# Altium PCB hv_controller.PcbDoc (part 3 of 3)
Units mil, origin at the board's own origin, x right, y up, seen from the top; angles counter-clockwise.
Board outline 9380 x 6000 mil, 2 copper layers (Top Layer, Bottom Layer); 271 components, 136 nets, 744 pads, 173 vias.
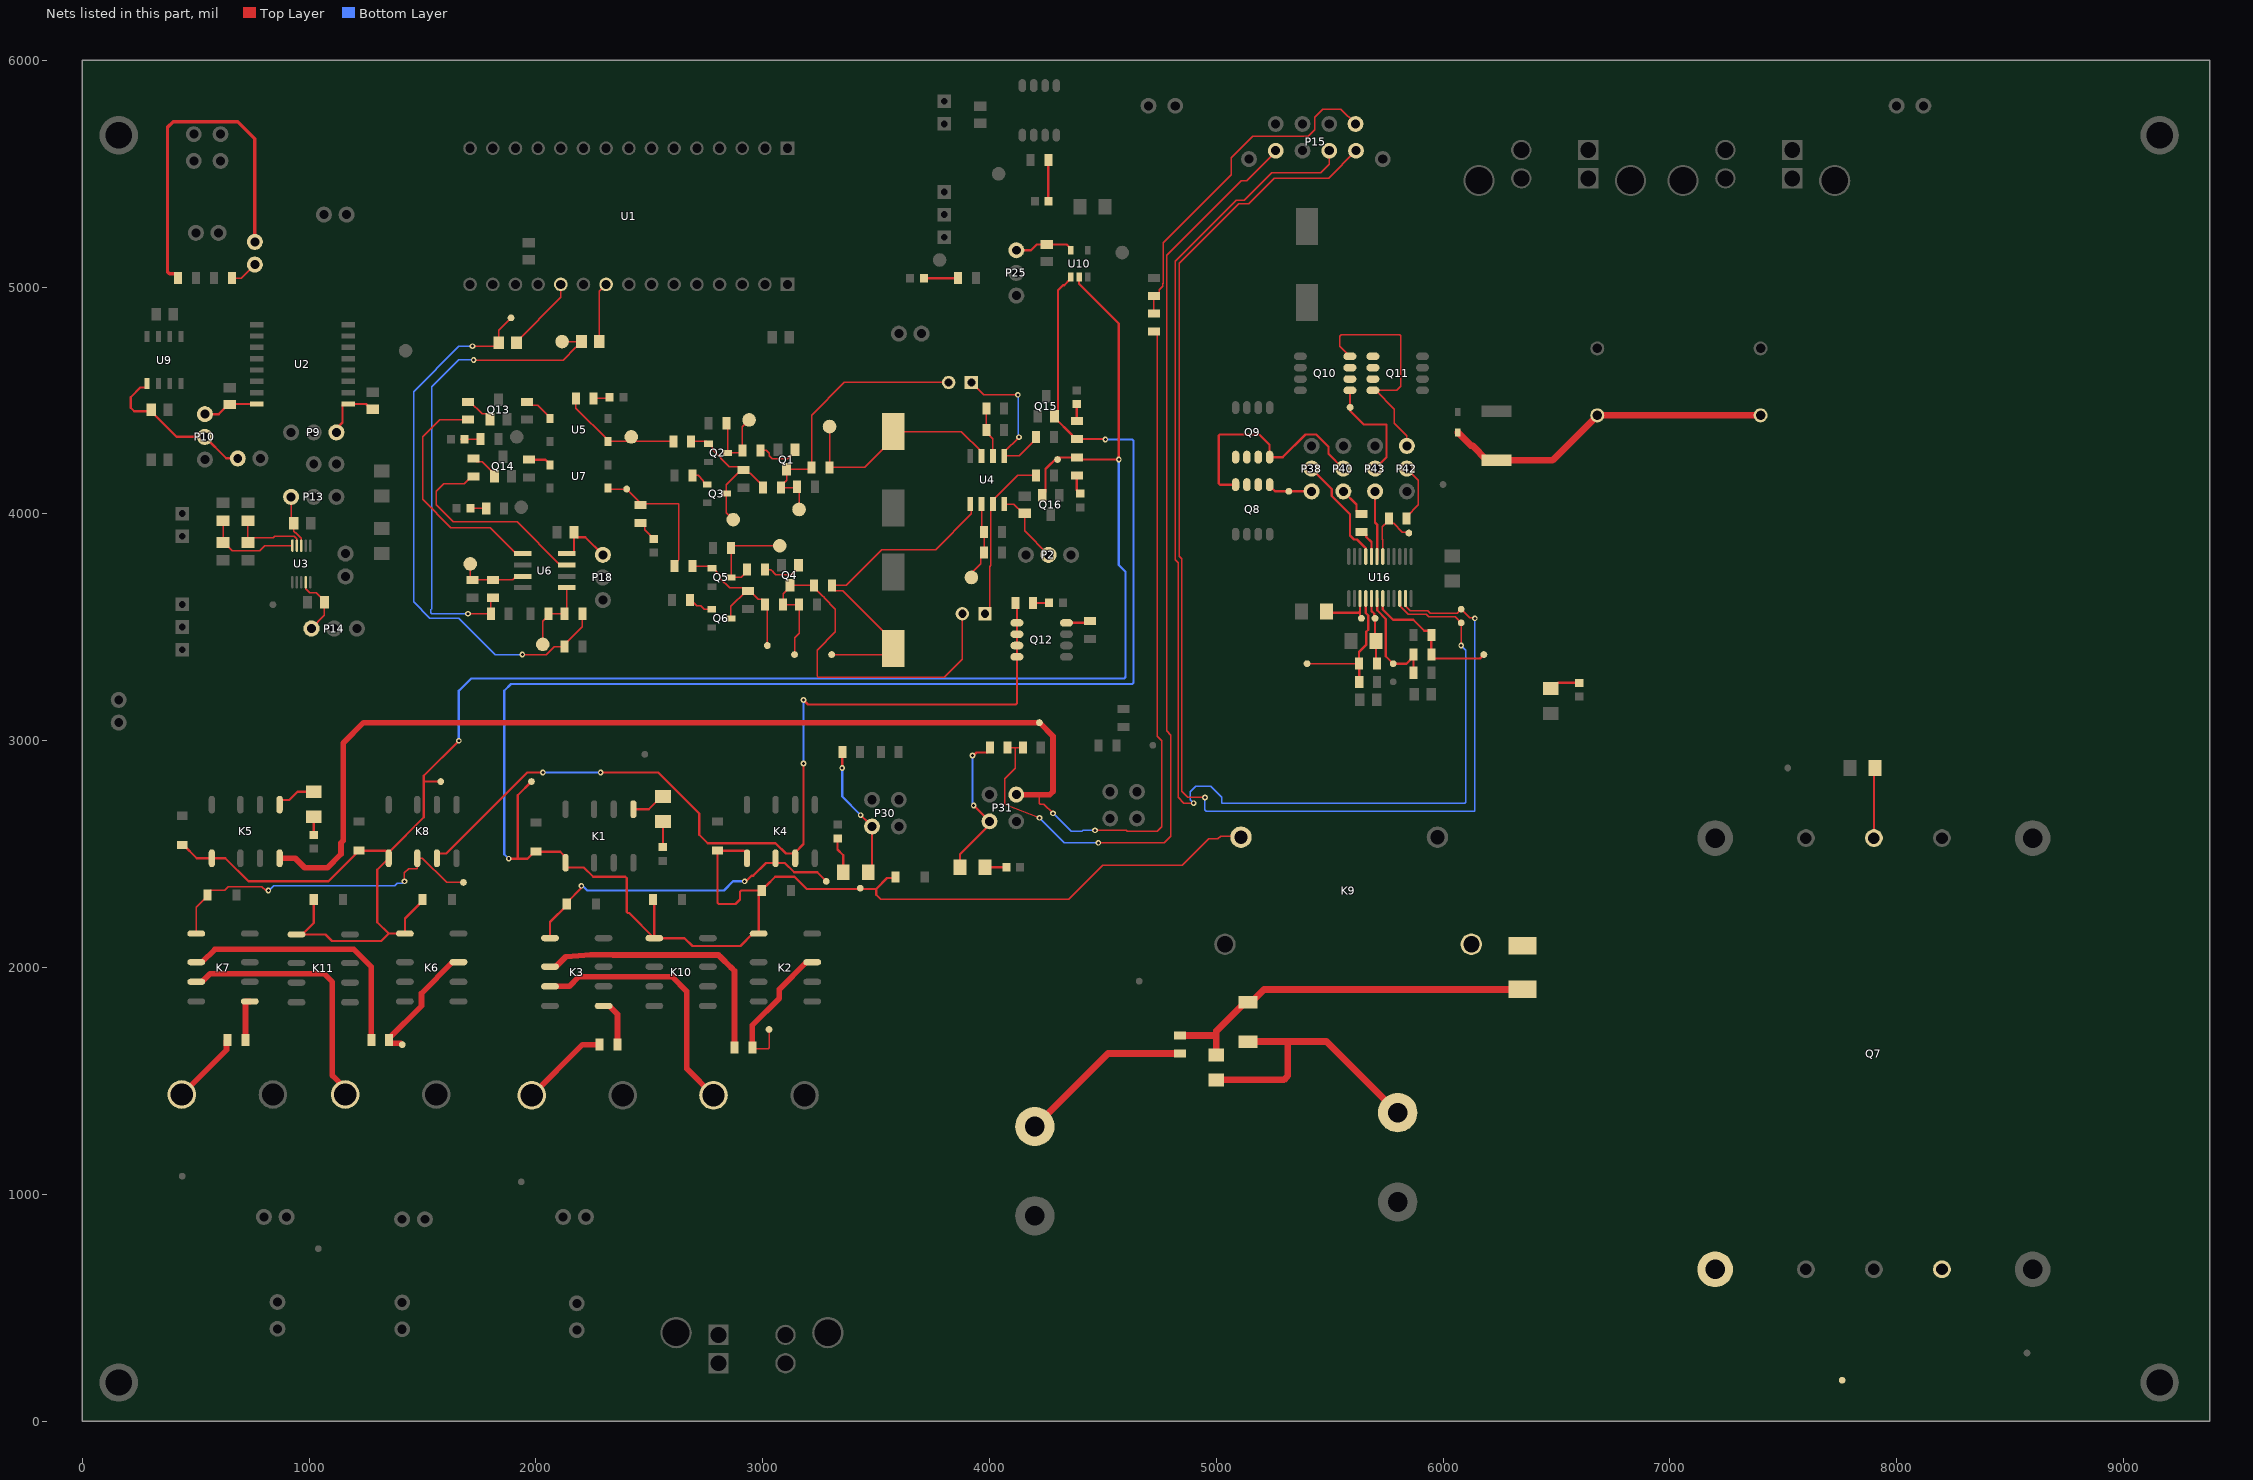
[diagram p3: the nets of this part, all layers, seen from the top]

## Via types
v1: diameter 25, hole 13, Top Layer to Bottom Layer, 173 vias

## Nets (pads, with @x,y where several pads share a name; then routed paths per layer and width w, separated by ;. In a path a pad name is that pad's centre, name@x,y a point inside that pad or via, vN(x,y) a via of type N, cw(c..) or ccw(c..) an arc to the next point about the centre after c; other vN are vias at no path point) (continued)
MPPT_BOOST_EN: P15.4 R27.1 R48.2 | length 1528.8
  Top Layer w6: R27.1@4725,4884.37 R48.2@4725,4961.26 4733.86,4961.26 4748.57,4975.98 4748.57,4989.51 4764,5004.93 4764,5016.32 4765,5017.32 4765,5195 5065,5495 5065,5570 5160,5665 5405,5665 5435,5695 5435,5750 5470,5785 5549,5785 P15.4@5614,5720
MPPT_CONT_DR: K5.4 P31.4 R27.2 TP47.1 | length 7270.3
  Top Layer w6: 4220,2762.62 4220,2723.51 4223.51,2720 4240,2720 v1(4280,2680) ; v1(4465,2605) 4602.57,2605 4607.57,2600 4740,2600 4760,2620 4760,3000 4740,3020 4740,4765 4740,4790.91 4725.28,4805.63 R27.2@4725,4805.63
  Top Layer w10: P31.4@4104.86,2780.35 4108.01,2780.35 P31.4@4118,2790.33
  Top Layer w25: K5.4@869.61,2481.89 938.11,2481.89 980,2440 1080,2440 1140,2500 1140,2549.26 1150.19,2559.45 1150.19,2990.19 1240,3080 TP47.1@4220,3080 4280,3020 4280,2776.58 4266.03,2762.62 4220,2762.62 P31.4@4118,2762.62
  Bottom Layer w6: v1(4280,2680) 4360,2600 4407.43,2600 4412.43,2605 v1(4465,2605)
MPPT_CONT_TELEM: P15.5 R46.1 R87.2 | length 4381.1
  Top Layer w6: R87.2@4080,2970 4113.55,2970 ; R46.1@4147.1,2970 4113.55,2970 ; v1(4220,2660) 4071.51,2718.49 4068,2722 4068,2724.49 4068,2833.18 4113.55,2878.73 4113.55,2970 ; v1(4480,2550) 4771.49,2550 4800,2578.51 4800,3025 4781,3044 4781,5141 5109.55,5469.55 5134.55,5469.55 5262,5597 P15.5@5262,5602
  Bottom Layer w6: v1(4220,2660) 4330,2550 v1(4480,2550)
MPS_CLOSE_MC: D1.2 D2.2 D3.2 D6.2 D10.2 K1.1 K2.1 K4.1 K9.2 K10.1 Q15.2 R41.2 TP28.1 TP36.1 U10.1 | length 10884.3
  Top Layer w6: 3500,2320 3520,2300 4350,2300 4500,2450 4850,2450 4967.27,2567.27 5007.27,2567.27 5020,2580 5103.86,2580 K9.2@5108.86,2575
  Top Layer w10: v1(1880,2480) 1920,2480 ; TP28.1@1980,2820 1920,2760 1920,2480 ; D10.2@2515.43,2300 2521.89,2293.54 K10.1@2521.89,2129.61 ; K4.1@2930.39,2456.3 K4.1@2930.39,2481.89 2930.39,2502.73 2917.69,2515.43 D6.2@2800,2515.43 2800,2285.86 2805.86,2280 2880,2280 2900,2300 2900,2334.14 2905.86,2340 D1.2@2995.43,2340 ; 3500,2320 3500,2345.95 ; D3.2@3585.43,2400 3585.43,2397.24 3582.52,2394.33 3548.38,2394.33 3500,2345.95 ; U10.1@4357.6,5044.94 4357.6,5037.07 4329.2,5008.67 4323.67,5008.67 4302.09,4987.09 4302.09,4446.38 Q15.2@4287.4,4431.69 4287.4,4423.82 4363.43,4347.8 4363.43,4343.35 4376.14,4330.63 R41.2@4385,4330.63 4508.89,4330.63 v1(4511,4328.52) v1@4511.59,4327.92 ; 1920,2480 1963.03,2480 1993.9,2510.87 D2.2@2000,2510.87 2107.01,2510.87 2130.39,2487.48 K1.1@2130.39,2461.89 2130.39,2449.41 2138.5,2441.3 2210.68,2441.3 2251.98,2400 2394.14,2400 2400,2394.14 2400,2245.86 2405.86,2240 2411.5,2240 K10.1@2521.89,2129.61 ; K10.1@2521.89,2129.61 2655.39,2129.61 2690,2095 2901.69,2095 2956.3,2149.61 K2.1@2981.89,2149.61 2981.89,2320.35 2995.43,2333.9 D1.2@2995.43,2340 ; D1.2@2995.43,2340 2995.43,2346.1 3008.35,2359.02 3014.45,2359.02 3055.43,2400 3140,2400 3194.05,2345.95 3500,2345.95
  Bottom Layer w10: v1(1880,2480) 1860,2500 1860,3220 1890,3250 4629.14,3250 4635,3255.86 4635,4322.66 4629.14,4328.52 v1(4511,4328.52)
MPS_CLOSE_MPPT: D7.2 D8.2 D12.2 D14.2 K5.1 K6.1 K8.1 K11.1 Q16.2 R61.2 TP31.1 TP37.1 U10.2 | length 8523.4
  Top Layer w10: D8.2@440,2540 446.1,2540 504.21,2481.89 K5.1@570.39,2481.89 630.09,2481.89 731.98,2380 1084.57,2380 D12.2@1220,2515.43 1337.69,2515.43 K8.1@1350.39,2502.73 ; K11.1@918.19,2145.98 K11.1@943.78,2145.98 K11.1@969.37,2145.98 ; D7.2@1020,2300 1020,2196.61 K11.1@969.37,2145.98 ; D14.2@1500,2300 1500,2293.9 1421.89,2215.79 K6.1@1421.89,2149.61 1350.39,2149.61 ; 1505.09,2820.51 1505.44,2820.16 ; TP31.1@1580,2820 1505.6,2820 1505.44,2820.16 ; v1(1660,3000) 1505.44,2845.44 1505.44,2820.16 ; Q16.2@4232.6,4083.31 4247.28,4097.99 4247.28,4198.42 4298.24,4249.37 R61.2@4385,4249.37 4394.37,4240 v1(4570,4240) 4570,4840 4395,5015 U10.2@4395,5044.94 ; K11.1@969.37,2145.98 1071.52,2145.98 1100.3,2117.2 1317.99,2117.2 1350.39,2149.61 ; 1350.39,2149.61 1300,2200 1300,2431.5 K8.1@1350.39,2481.89 K8.1@1350.39,2502.73 ; K8.1@1350.39,2502.73 1350.39,2507.48 1505.44,2662.53 1505.44,2820.16
  Bottom Layer w10: v1(1660,3000) 1660,3220 1715,3275 4594.14,3275 4600,3280.86 4600,3745.47 4570,3775.47 v1(4570,4240)
MPS_EN: K4.3 K8.3 Q12.5 Q12.6 Q12.7 Q12.8 R68.2 | length 4060.1
  Top Layer w10: K8.3@1562.99,2481.89 1562.99,2494.37 1571.1,2502.48 1603.91,2502.48 1961.43,2860 v1(2030,2860) ; v1(2285,2860) 2539.32,2860 2720,2679.32 2720,2585.86 2757.51,2548.35 3056.21,2548.35 3102.08,2502.48 3134.88,2502.48 K4.3@3142.99,2494.37 ; K4.3@3142.99,2481.89 K4.3@3142.99,2494.37 ; v1(3180,2900) 3180,2544.49 3142.99,2507.48 K4.3@3142.99,2494.37 ; v1(3180,3180) 3200,3160 4115.01,3160 4120.87,3165.86 Q12.8@4120.87,3369.88 Q12.7@4120.87,3419.88 Q12.6@4120.87,3469.88 Q12.5@4120.87,3519.88 4120.87,3600.51 R68.2@4113.56,3607.82
  Bottom Layer w10: v1(2030,2860) v1(2285,2860) ; v1(3180,2900) v1(3180,3180)
NetC3_1: C3.1 P9.3 U2.1 | length 274.4
  Top Layer w10: P9.3@1120,4360 1120,4376.47 1147.05,4403.52 1147.05,4478.19 1153.86,4485 U2.1@1171.57,4485 1250.71,4485 1273.11,4462.6 C3.1@1280,4462.6
NetC4_1: C4.1 P10.3 U2.16 | length 247.1
  Top Layer w10: P10.3@540,4440 600.51,4440 643.11,4482.6 C4.1@650,4482.6 652.4,4485 U2.16@768.43,4485
NetC5_1: C5.1 P13.3 U3.3 | length 232.8
  Top Layer w6: P13.3@920,4075 920,3972.6 C5.1@932.6,3960 932.6,3923.44 938.77,3917.27 939.68,3917.27 964.26,3892.68 U3.3@964.26,3861.03
NetC6_1: C6.1 P14.1 U3.9 | length 274
  Top Layer w6: U3.9@984.69,3699.29 985.42,3698.56 985.42,3670.26 1003.27,3652.41 1031.88,3652.41 1068.29,3616 C6.1@1068.81,3616 ; P14.1@1010,3495 1067.4,3552.4 C6.1@1067.4,3610
NetC7_2: C7.2 P18.3 U6.8 | length 290.1
  Top Layer w10: U6.8@2135,3825 2161.4,3825 2167.4,3831 C7.2@2167.4,3913.11 ; C7.2@2167.4,3920 C7.2@2167.4,3913.11 ; P18.3@2295,3820 2217.56,3897.44 2183.07,3897.44 C7.2@2167.4,3913.11
NetC9_1: C9.1 R7.1 TP20.1 U4.3 | length 992.2
  Top Layer w6: TP20.1@3294.37,4385.63 R7.1@3294.37,4205 3449.17,4205 3588.43,4344.26 C9.1@3588.43,4359.34 ; C9.1@3575,4363.31 3875.71,4363.31 3965,4274.02 U4.3@3965,4256.3
NetC10_1: C10.1 R40.1 TP23.1 U4.5 | length 1484.4
  Top Layer w6: TP23.1@3303.63,3380 3548.31,3380 C10.1@3575,3406.69 3575,3439.17 3352.75,3661.43 3319.09,3661.43 3304.37,3676.14 R40.1@3304.37,3685 3367.4,3685 3524.9,3842.5 3762.5,3842.5 3920,4000 3920,4038.7 U4.5@3915,4043.7
NetC11_1: C11.1 C12.1 D9.1 R34.1 | length 1468.1
  Top Layer w30: D9.1@6065,4359.72 6123.68,4301.05 6130.28,4301.05 6194.63,4236.69 R34.1@6235,4236.69 6481.69,4236.69 C11.1@6680,4435 C12.1@7400,4435
NetC13_2: C13.2 P25.3 U10.5 | length 265.2
  Top Layer w10: P25.3@4118,5163 4183,5163 4208.4,5188.4 C13.2@4252,5188.4 4340.13,5188.4 4357.6,5170.93 U10.5@4357.6,5163.06
NetC15_1: C15.1 P2.2 U4.8 | length 333.1
  Top Layer w6: U4.8@4065,4043.7 4107.01,4043.7 4148.11,4002.6 C15.1@4155,4002.6 4155,3925 P2.2@4260,3820
NetC17_1: C17.1 D13.1 R92.1 | length 1263.9
  Top Layer w30: R92.1@5000,1504.88 5297.54,1504.88 5315.12,1522.46 5315.12,1671.57 5313.31,1673.39 ; D13.1@5140,1673.39 5313.31,1673.39 ; C17.1@5800,1360 5486.61,1673.39 5313.31,1673.39
NetC18_1: C18.1 R93.1 | length 773.6
  Top Layer w30: C18.1@4200,1298.74 4522.52,1621.26 R93.1@4840,1621.26
NetD5_2: D5.2 K3.1 K4.2 TP35.1 | length 1479
  Top Layer w10: K3.1@2061.89,2129.61 2061.89,2200.35 2135.43,2273.9 D5.2@2135.43,2280 2135.43,2286.1 2200,2350.67 v1(2200,2360) ; v1(2920,2380) 2926,2380 2951.29,2405.28 2958.36,2405.28 3014.37,2461.3 3048.27,2461.3 K4.2@3056.38,2469.41 ; K4.2@3056.38,2481.89 K4.2@3056.38,2469.41 ; TP35.1@3280,2380 3240,2420 3138.59,2420 3097.29,2461.3 3064.49,2461.3 K4.2@3056.38,2469.41
  Bottom Layer w10: v1(2200,2360) 2205.86,2360 2225.86,2340 2829.18,2340 2869.18,2380 v1(2920,2380)
NetD11_2: D11.2 K7.1 K8.2 TP45.1 | length 1497.6
  Top Layer w6: K7.1@501.89,2149.61 501.89,2264.92 550.87,2313.9 D11.2@550.87,2320 550.87,2326.1 565.78,2341.02 626.54,2341.02 642.54,2357.02 791.08,2357.02 808.09,2340 v1(820,2340) ; v1(1420,2380) 1420,2418 1438.38,2436.38 1476.38,2436.38 K8.2@1476.38,2481.89 1499.53,2481.89 1606.15,2375.27 TP45.1@1680,2375.27
  Bottom Layer w6: v1(820,2340) 823.11,2340 843.11,2360 1376.89,2360 1388.47,2371.58 1411.58,2371.58 v1(1420,2380)
NetD13_2: D13.2 F5.2 Q7.1 Q7.4 R92.2 R93.2 TP34.1 | length 1691.1
  Top Layer w30: R93.2@4840,1700 5000,1700 ; R92.2@5000,1615.12 5000,1700 ; F5.2@6350,1903.35 5210.51,1903.35 5153.78,1846.61 D13.2@5140,1846.61 5126.22,1846.61 5000,1720.39 5000,1700
NetF1_1: F1.1 K3.2 | length 1199.7
  Top Layer w25: K3.2@2061.89,2003.62 2087.48,2003.62 2131.54,2047.68 2241.82,2055.9 2340.25,2055.9 2341.15,2055 2805,2055 2812.32,2047.68 2860,2000 2860.89,2000 2875.54,1985.36 F1.1@2875.54,1647.08
NetF1_2: F1.2 K2.7 TP30.1 | length 658.4
  Top Layer w6: F1.2@2954.28,1647.08 2958.69,1642.67 3024.15,1642.67 3027.67,1646.18 TP30.1@3027.67,1727.08
  Top Layer w25: F1.2@2954.28,1647.08 2954.28,1745.89 3073.15,1864.76 3073.15,1904.26 3192.52,2023.62 K2.7@3218.11,2023.62
NetF2_1: F2.1 K3.5 | length 210.4
  Top Layer w25: K3.5@2298.11,1830.39 2323.01,1830.39 2359.37,1794.03 F2.1@2359.37,1660
NetF2_2: F2.2 R75.1 | length 392.1
  Top Layer w25: R75.1@1981.21,1436.28 2204.93,1660 F2.2@2280.63,1660
NetF3_1: F3.1 K7.2 | length 1150.3
  Top Layer w25: K7.2@501.89,2023.62 527.48,2023.62 583.86,2080 1196.9,2080 1274.06,2002.84 F3.1@1274.06,1680
NetF3_2: F3.2 K6.7 TP40.1 | length 556.1
  Top Layer w25: TP40.1@1410.35,1660 1409,1660 1403.08,1665.93 1358.02,1665.93 1352.8,1671.14 F3.2@1352.8,1680 1352.8,1688.86 1495.02,1831.08 1495.02,1886.13 1632.52,2023.62 K6.7@1658.11,2023.62
NetF4_1: F4.1 K7.5 | length 188.4
  Top Layer w25: F4.1@719.37,1680 719.37,1849.21 720.55,1850.39 K7.5@738.11,1850.39
NetF4_2: F4.2 R83.1 | length 323.8
  Top Layer w25: R83.1@438.43,1440 635.41,1636.99 635.41,1674.78 F4.2@640.63,1680
NetF5_1: F5.1 K9.3
NetK1_5: K1.5 R69.1 | length 154
  Top Layer w10: K1.5@2429.61,2698.11 2497.09,2698.11 2554.09,2755.12 R69.1@2560,2755.12
NetK3_3: K3.3 R70.2 | length 1155.3
  Top Layer w25: K3.3@2061.89,1917.01 2147.01,1917.01 2190,1960 2600,1960 2665,1895 2665,1554.06 R70.2@2782.78,1436.28
NetK5_5: K5.5 R77.1 | length 181.3
  Top Layer w10: K5.5@869.61,2718.11 869.61,2730.59 877.72,2738.7 911.75,2738.7 948.16,2775.12 R77.1@1020,2775.12
NetK7_3: K7.3 R78.2 | length 1150.3
  Top Layer w25: K7.3@501.89,1937.01 527.48,1937.01 563.76,1973.29 1065.36,1973.29 1102.23,1936.41 1102.23,1523.52 1158.43,1467.33 R78.2@1158.43,1440
NetLED1_1: LED1.1 R23.1 | length 72.2
  Top Layer w6: R23.1@2254.37,4510 2319.49,4510 LED1.1@2324.49,4515
NetLED2_1: LED2.1 R24.1 | length 90.1
  Top Layer w6: 1665.51,4330.37 R24.1@1755.63,4330.37
NetLED3_1: LED3.1 R47.1 | length 180.7
  Top Layer w10: R47.1@4259.37,5560 4259.37,5381.65 LED3.1@4261.02,5380
NetLED4_1: LED4.1 R31.1 | length 70.1
  Top Layer w6: LED4.1@1710.51,4025 R31.1@1780.63,4025
NetLED5_1: LED5.1 R41.1 | length 75.1
  Top Layer w10: R41.1@4385,4409.37 LED5.1@4385,4484.49
NetLED6_1: LED6.1 R61.1 | length 86.9
  Top Layer w10: R61.1@4385,4170.63 4385,4104.53 4399.02,4090.51 LED6.1@4400,4090.51
NetLED8_1: LED8.1 R66.1 | length 150.1
  Top Layer w10: LED8.1@3710.51,5040 R66.1@3860.63,5040
NetLED9_1: LED9.1 R68.1 | length 70.1
  Top Layer w10: R68.1@4192.3,3607.82 LED9.1@4262.42,3607.82
NetLED10_1: LED10.1 R69.2 | length 114.4
  Top Layer w10: LED10.1@2560,2530.51 R69.2@2560,2644.88
NetLED11_1: LED11.1 R32.1 | length 95
  Top Layer w6: R32.1@2480,3960.63 2480,3929.53 2519.02,3890.51 LED11.1@2520,3890.51 LED11.1@2520,3882.76
NetLED12_1: LED12.1 R77.2 | length 79.9
  Top Layer w10: LED12.1@1020,2584.99 R77.2@1020,2664.88
NetLED14_1: LED14.1 R89.2 | length 159.8
  Top Layer w10: LED14.1@3330,2569.49 3330,2520 3354.88,2495.12 R89.2@3354.88,2420
NetLED15_1: LED15.1 R90.2 | length 94.4
  Top Layer w10: R90.2@3979.98,2442.35 LED15.1@4074.35,2442.35
NetLED16_1: LED16.1 R94.2 | length 149.1
  Top Layer w10: R94.2@6475,3230.12 6480.91,3230.12 6506.3,3255.51 LED16.1@6600,3255.51 LED16.1@6590.39,3265.12
NetP19_1: P19.1 R16.2 U4.1 | length 706.1
  Top Layer w6: P19.1@3920,4580 3974.78,4525.22 v1(4125,4525.22) ; v1(4130,4339.02) 4065,4274.02 U4.1@4065,4256.3 4130.79,4256.3 4205.63,4331.14 R16.2@4205.63,4340
  Bottom Layer w6: v1(4125,4525.22) 4127.5,4522.72 4127.5,4341.52 v1(4130,4339.02)
NetP19_2: P19.2 Q1.3 R7.2 R39.1 R43.2 TP7.1 | length 1277.3
  Top Layer w6: R43.2@3140,4109.37 R43.2@3146.45,4115.82 ; TP7.1@3160,4020 R43.2@3160,4109.37 ; P19.2@3820,4580 3359.19,4580 3215.63,4436.44 R7.2@3215.63,4205 3207.32,4196.69 Q1.3@3105,4196.69 3105,4149.67 3080,4124.67 R39.1@3080,4115.82 R43.2@3146.45,4115.82 ; R43.2@3146.45,4115.82 R43.2@3150.63,4120 R43.2@3146.45,4115.82
NetP30_1: P30.1 R85.1 R89.1 | length 601.3
  Top Layer w10: v1(3350,2880) 3350,2949.37 R85.1@3350.63,2950 ; v1(3432,2672) 3466,2638 3482,2638 P30.1@3482,2622 3482,2436.88 R89.1@3465.12,2420
  Bottom Layer w10: v1(3350,2880) 3350,2754 v1(3432,2672)
NetP31_1: P31.1 R87.1 R90.1 | length 693.4
  Top Layer w10: R90.1@3869.75,2442.35 3869.75,2499.75 4000,2630 P31.1@4000,2644.62 v1(3930.11,2714.51) ; v1(3925,2935) 3929.06,2935 3942.48,2948.43 3988.54,2948.43 4000.63,2960.51 R87.1@4000.63,2990
  Bottom Layer w10: v1(3925,2935) 3925,2723.68 3930.11,2718.57 v1(3930.11,2714.51)
NetP35_1: P35.1 R8.2 U4.7 | length 752
  Top Layer w6: P35.1@3975,3565 P35.1@3980,3560 ; P35.1@4000,3558.31 4000,3767.25 4006.35,3773.6 4006.35,3798.04 4006.35,4035.05 U4.7@4015,4043.7 4015,4061.42 4123.58,4170 R8.2@4205.63,4170
NetP35_2: P35.2 Q4.3 R40.2 R59.1 R62.2 TP10.1 | length 1853.9
  Top Layer w6: TP10.1@3140,3380 3140,3453.89 3160.63,3474.52 R62.2@3160.63,3600 R59.1@3089.37,3600 3089.37,3648.19 3120,3678.82 Q4.3@3120,3686.69 3223.94,3686.69 3223.94,3677.83 3258.29,3643.48 3260.04,3641.74 ccw(c3265.09,3644.97) 3262.47,3639.57 3270.09,3631.96 3270.09,3629.91 3320,3580 3320,3480 3240,3400 3240,3283.51 3243.51,3280 3800,3280 3880,3360 P35.2@3880,3560
NetP38_2: P38.2 U16.21 | length 494.2
  Top Layer w10: P38.2@5420,4200 5509.57,4110.43 5509.57,4079.11 5590,3998.68 5590,3905.13 5607.21,3887.91 5620.27,3887.91 5658.47,3849.71 5658.47,3813.24 U16.21@5659.19,3812.52
NetP38_3: P38.3 Q8.1 Q8.2 Q8.3 Q9.1 Q9.2 Q9.3 TP51.1 | length 200.3
  Top Layer w10: Q8.1@5235,4129.25 5235,4123.79 5258.79,4100 P38.3@5420,4100
NetP40_2: P40.2 Q8.4 Q9.4 | length 1032.8
  Top Layer w10: Q8.4@5085,4129.25 5016.61,4129.25 5010.75,4135.11 5010.75,4344.57 5016.61,4350.43 5189.57,4350.43 5235,4305 Q9.4@5235,4250.75 5293.52,4250.75 5393.21,4350.43 5440.89,4350.43 5494.62,4296.7 5494.62,4265.38 P40.2@5560,4200
NetP40_3: P40.3 R95.2 | length 139
  Top Layer w10: P40.3@5560,4100 5618.43,4041.57 5618.43,4012.09 5631.14,3999.37 R95.2@5640,3999.37
NetP42_2: P42.2 R96.2 | length 260.5
  Top Layer w6: R96.2@5839.37,3980 5839.37,3988.86 5890.43,4039.92 5890.43,4149.57 5841.85,4198.15 P42.2@5840.73,4198.15
NetP42_3: P42.3 Q10.4 Q11.4 | length 1035.1
  Top Layer w6: Q10.4@5589.25,4695 5545,4739.25 5545,4784.14 5550.86,4790 5809.14,4790 5814,4785.14 5814,4564 5795,4545 Q11.4@5702.56,4545 ; Q11.4@5690.75,4545 Q11.4@5702.56,4545 ; P42.3@5840,4300 5840,4345 5785,4400 5785,4462.56 Q11.4@5702.56,4545
NetP43_2: P43.2 Q10.1 Q10.2 Q10.3 Q11.1 Q11.2 Q11.3 TP53.1 | length 507.4
  Top Layer w10: TP53.1@5590,4464.59 TP53.1@5590,4470 ; Q10.1@5600,4545 Q10.1@5589.25,4545 5589.25,4455.75 5650.43,4394.57 5750.43,4394.57 5750.43,4250.43 P43.2@5700,4200
NetP43_3: P43.3 U16.19 | length 306.8
  Top Layer w10: P43.3@5700,4100 5700,3962.57 5709.19,3953.37 U16.19@5709.19,3812.52 5709.19,3798.24 U16.19@5710.06,3797.37
NetQ1_1: Q1.1 R36.1 | length 196.2
  Top Layer w6: R36.1@2989.37,4280 3016.09,4280 3029.31,4266.78 3029.31,4255.97 3042.53,4242.75 3109.72,4242.75 3142.4,4275.43 Q1.1@3142.4,4283.31
NetQ2_1: Q2.1 Q3.3 R37.2 R38.2 R39.2 TP18.1 | length 675.3
  Top Layer w6: R37.2@2684.37,4320 2750,4320 Q2.1@2760,4310 2765.91,4310 2776.69,4299.22 2776.69,4285.56 2853.16,4209.09 2900.28,4209.09 R38.2@2915,4194.37 ; TP18.1@2870,3975 2840,4005 Q3.3@2840,4090 2840,4128.23 2906.14,4194.37 R38.2@2915,4194.37 ; R39.2@2995.63,4120 2995.63,4128.86 2944.83,4179.65 2929.72,4179.65 R38.2@2915,4194.37
NetQ2_3: Q2.3 R35.1 R36.2 TP19.1 | length 350.3
  Top Layer w6: R35.1@2839.37,4400 2844.65,4394.72 Q2.3@2844.65,4269.45 2900.08,4269.45 R36.2@2910.63,4280 2910.63,4385.63 TP19.1@2940,4415
NetQ3_1: Q3.1 R44.1 | length 85.8
  Top Layer w6: R44.1@2689.37,4170 2715.91,4170 2738.67,4147.24 2738.67,4141.33 2749.45,4130.55 Q3.1@2755.35,4130.55
NetQ4_1: Q4.1 R56.1 | length 179.1
  Top Layer w6: R56.1@3009.37,3755 3036.09,3755 3046.81,3744.28 3046.81,3743.47 3057.53,3732.75 3124.72,3732.75 3157.4,3765.43 Q4.1@3157.4,3773.31
NetQ5_1: Q5.1 Q6.3 R2.2 R58.2 R59.2 TP21.1 | length 745.1
  Top Layer w6: R2.2@2689.37,3770 2765.91,3770 Q5.1@2775.35,3760.55 2781.26,3760.55 2813.48,3728.33 2813.48,3714.67 2854.06,3674.09 2920.28,3674.09 R58.2@2935,3659.37 ; Q6.3@2859.65,3539.45 2859.65,3592.87 2926.14,3659.37 R58.2@2935,3659.37 ; TP21.1@3020,3420 3020,3590.63 R59.2@3010.63,3600 3010.63,3608.86 2995.91,3623.57 2979.65,3623.57 2943.86,3659.37 R58.2@2935,3659.37
NetQ5_3: Q5.3 R55.1 R56.2 TP22.1 | length 440.3
  Top Layer w6: R56.2@2930.63,3755 2930.63,3746.14 2904.49,3720 Q5.3@2860,3720 2860,3849.37 R55.1@2859.37,3850 2869.37,3860 TP22.1@3075,3860
NetQ6_1: Q6.1 R63.1 | length 102.4
  Top Layer w6: R63.1@2694.37,3620 2694.37,3611.14 2709.09,3596.43 2725.49,3596.43 2741.91,3580 Q6.1@2775,3580
NetQ7_8: Q7.8 R91.1 | length 311.3
  Top Layer w10: Q7.8@7900,2570.79 7900,2874.88 R91.1@7905.12,2880
NetQ12_4: Q12.4 R67.1 | length 113.7
  Top Layer w6: R67.1@4440,3540 R67.1@4445,3535
  Top Layer w10: Q12.4@4339.37,3519.88 4435.63,3519.88 R67.1@4442.93,3527.19
NetQ13_1: Q13.1 R20.1 | length 134.4
  Top Layer w6: R20.1@1700,4494.37 1708.86,4494.37 1761.98,4441.25 1780.91,4441.25 1797.6,4424.57 Q13.1@1797.6,4416.69
NetQ14_1: Q14.1 R21.1 | length 129.4
  Top Layer w6: R21.1@1725,4244.37 1739.72,4229.65 1762.51,4229.65 1817.6,4174.57 Q14.1@1817.6,4166.69
NetR1_1: R1.1 TERM.2 | length 125.5
  Top Layer w6: R1.1@659.37,5040 700,5040 TERM.2@760,5100
NetR3_2: R3.2 R15.1 U4.2 | length 220.9
  Top Layer w6: R15.1@3985.63,4465 R3.2@3985.63,4370 3985.63,4361.14 4015,4331.77 U4.2@4015,4256.3
NetR4_1: R4.1 TERM.1 | length 1581.3
  Top Layer w15: R4.1@422.82,5040.9 422.82,5047.3 411.04,5059.07 383.79,5059.07 375,5067.86 375,5705 400,5730 685,5730 760,5655 TERM.1@760,5200
NetR9_1: R9.1 R13.2 U3.4 | length 337.8
  Top Layer w6: R9.1@730.63,3970 R9.1@730,3970.63 R13.2@730,3874.37 750.62,3894.99 841.16,3894.99 847.44,3901.27 933.05,3901.27 944.58,3889.74 944.58,3881.03 U3.4@943.55,3880
NetR10_1: R10.1 R14.2 U3.5 | length 426.6
  Top Layer w6: R10.1@620,3970.63 R14.2@620,3874.37 624.92,3874.37 661.54,3837.75 781.22,3837.75 804.18,3860.71 U3.5@925.63,3860.71
NetR17_1: R17.1 R19.2 TP3.1 U6.3 | length 302.2
  Top Layer w6: TP3.1@1710,3780 1710,3719.37 R17.1@1720,3709.37 R19.2@1810,3709.37 1897.37,3709.37 1913,3725 U6.3@1941,3725
NetR20_2: R20.2 U6.1 | length 1046.9
  Top Layer w6: R20.2@1700,4415.63 1575.63,4415.63 1500,4340 1500,4064.64 1624.64,3940 1798,3940 1913,3825 U6.1@1941,3825
NetR21_2: R21.2 U6.7 | length 937
  Top Layer w6: R21.2@1725,4165.63 1716.14,4165.63 1683.58,4133.07 1593.07,4133.07 1560,4100 1560,4040 1635,3965 1917,3965 2107,3775 U6.7@2135,3775
NetR25_2: R25.2 R26.1 TP4.1 U4.6 | length 359.4
  Top Layer w6: TP4.1@3900,3720 3960.91,3780.91 3960.91,3815.28 R26.1@3975.63,3830 R25.2@3975.63,3920 3965,3930.63 U4.6@3965,4043.7
NetR28_1: R28.1 R30.2 TP9.1 U6.5 | length 335.2
  Top Layer w6: TP9.1@2030,3425 2030,3526.77 2054.37,3551.14 R28.1@2054.37,3560 R30.2@2125.63,3560 2135,3569.37 U6.5@2135,3675
NetR42_2: R42.2 U1.4.9 | length 265
  Top Layer w6: R42.2@2279.37,4760 2279.37,4982.6 U1.4.9@2309.37,5012.6
NetR45_2: R45.2 U1.4.11 | length 338.4
  Top Layer w6: R45.2@1914.37,4755 1914.37,4759.92 2109.37,4954.92 U1.4.11@2109.37,5012.6
NetR95_1: R95.1 U16.20 | length 109.2
  Top Layer w10: R95.1@5640,3920.63 5648.86,3920.63 5661.57,3907.91 5661.57,3899.06 5684.19,3876.44 U16.20@5684.19,3834.91
NetR96_1: R96.1 TP56.1 U16.18 | length 291
  Top Layer w6: U16.18@5734.19,3812.52 5734.19,3886.92 5732.5,3888.61 5732.5,3943.01 R96.1@5760.63,3971.14 ; R96.1@5760.63,3980 R96.1@5760.63,3971.14 ; TP56.1@5849,3916 5845,3920 5820.63,3920 5782.2,3958.43 5773.35,3958.43 R96.1@5760.63,3971.14
NetR97_2: R97.2 R98.2 TP57.1 U16.4 | length 618.6
  Top Layer w6: TP57.1@5400,3340 R98.2@5629.72,3340
  Top Layer w10: R97.2@5630.35,3260 5630.35,3339.37 R98.2@5629.72,3340 5629.72,3391.54 5660.67,3422.49 5660.67,3480.66 5670,3489.99 5670,3552.43 5659.19,3563.23 U16.4@5659.19,3627.48
NetR98_1: R98.1 R99.2 TP59.1 U16.5 | length 297.5
  Top Layer w10: U16.5@5684.19,3627.48 5684.19,3572.46 5696.17,3560.48 5696.17,3543.83 TP59.1@5700,3540 5700,3444.21 R99.2@5704.21,3440 5704.21,3344.25 R98.1@5708.46,3340
NetR100_2: R100.2 R101.2 TP61.1 U16.6 | length 499.4
  Top Layer w10: U16.6@5709.19,3627.48 5709.86,3626.82 5709.86,3575.08 5747.76,3537.18 5747.76,3372.24 TP61.1@5780,3340 5838.58,3340 R101.2@5869.72,3371.14 ; R100.2@5869.72,3300 R101.2@5869.72,3371.14 ; R101.2@5869.72,3380 R101.2@5869.72,3371.14
NetR101_1: R101.1 R104.2 TP63.1 U16.7 | length 647.5
  Top Layer w10: U16.7@5734.19,3627.48 5734.19,3579.03 5779.5,3533.72 5868.29,3533.72 5916.51,3485.5 5935.75,3485.5 5948.46,3472.79 5948.46,3375.8 5961.18,3363.08 6163.08,3363.08 TP63.1@6180,3380
NetR103_2: R103.2 TP64.1 U16.3 | length 216
  Top Layer w10: R103.2@5510.12,3565 5629.19,3565 5634.19,3570 ; U16.3@5634.19,3627.48 5634.19,3570 ; TP64.1@5640,3540 5640,3545.41 5634.19,3551.22 5634.19,3565 5634.19,3570
OPTO_IN_MC: R18.2 U5.1 | length 135
  Top Layer w6: R18.2@1960,4494.37 1974.72,4479.65 2006.7,4479.65 2062.05,4424.31 U5.1@2062.05,4420.37
OPTO_IN_MPPT: R29.2 U7.1 | length 104.3
  Top Layer w10: R29.2@1970,4239.37 2041.98,4239.37 2062.05,4219.31 U7.1@2062.05,4215.37
PPC_DCDC_TELEM: P15.7 TP58.1 U16.10 | length 5826.7
  Top Layer w6: v1(4900,2725) 4857,2725 4832,2750 4832,3785.79 4820,3797.79 4820,5115 5089,5384 5124,5384 5245,5505 5460,5505 5498,5543 P15.7@5498,5602 ; U16.10@5809.19,3627.48 5809.19,3594.86 5812.3,3591.75 5812.3,3590.73 5845.37,3557.66 5925.97,3557.66 5937.63,3546 6054,3546 TP58.1@6080,3520 v1(6080,3420)
  Bottom Layer w6: v1(4900,2725) 4900,2725.41 4885,2740.41 4885,2775 4910,2800 4975,2800 5024.11,2750.89 5024.11,2725 6096.49,2725 6100,2728.51 6100,3400 v1(6080,3420)
PPC_SUPP_TELEM: P15.8 TP62.1 U16.11 | length 5907.1
  Top Layer w6: v1(4950,2750) 4949.5,2750.5 4874.25,2750.5 4848,2776.75 4848,3802 4836,3814 4836,5106 5098,5368 5143,5368 5255,5480 5495,5480 5616,5601 P15.8@5616,5602 ; U16.11@5834.19,3627.48 5834.19,3594.86 5839.3,3589.75 5839.3,3588.73 5854.37,3573.66 5932.6,3573.66 5944.26,3562 6062,3562 TP62.1@6080,3580 6118.5,3541.5 6138.5,3541.5 v1(6140,3540)
  Bottom Layer w6: v1(4950,2750) 4950,2695 4955,2690 6140,2690 v1(6140,3540)
PRC_END_MC: R23.2 R37.1 TP5.1 U5.3 | length 536.4
  Top Layer w6: R23.2@2175.63,4510 2175.63,4466.63 2317.95,4324.31 U5.3@2317.95,4320.37 2605.26,4320.37 R37.1@2605.63,4320
PRC_END_MPPT: R2.1 R32.2 TP11.1 U7.3 | length 636.6
  Top Layer w6: U7.3@2312.01,4098.68 2323.32,4110 TP11.1@2400,4110 2400.51,4110 2471.14,4039.37 2480,4039.37 2486.1,4045.47 2626.49,4045.47 2630,4041.96 2630,3797.09 2626.49,3793.57 2625.35,3793.57 2610.63,3778.86 R2.1@2610.63,3770
V-POS5V: 5V0.2 C22.1 P10.2 U9.1 | length 726.2
  Top Layer w10: U9.1@285,4575.38 285,4563.55 279.17,4557.73 255.3,4557.73 212.5,4514.93 212.5,4468.61 228.61,4452.5 295.1,4452.5 C22.1@302.6,4460 302.6,4453.11 415.71,4340 P10.2@540,4340 634.57,4245.43 684.57,4245.43 5V0.2@685,4245
VOLT_SENSE_MC: R19.1 R22.2 R42.1 TP6.1 | length 2173.2
  Top Layer w6: v1(1700,3560) R22.2@1800.63,3560 1800.63,3621.26 R19.1@1810,3630.63 R19.1@1801.14,3630.63 ; v1(1724.97,4678.72) 2119.35,4678.72 2175.09,4734.46 2180.01,4734.46 2200.63,4755.08 R42.1@2200.63,4760 TP6.1@2115,4760
  Bottom Layer w6: 1536,3580 1536,3564 1540,3560 v1(1700,3560) ; 1540,3580 1540,4560 1660,4680 v1@1720,4680
VOLT_SENSE_MPPT: R30.1 R33.2 R45.1 TP12.1 | length 2477.1
  Top Layer w6: v1(1720,4740) 1825.55,4740 R45.1@1835.63,4750.08 ; R45.1@1835.63,4755 1835.63,4810.63 TP12.1@1890,4865 ; v1(1940,3380) 2045.81,3380 2080.81,3415 R33.2@2125.63,3415 2125.63,3423.86 2204.37,3502.6 R30.1@2204.37,3560
  Bottom Layer w6: v1(1720,4740) 1660,4740 1460,4540 1460,3611.9 1531.9,3540 1660,3540 1820,3380 v1(1940,3380)
pads on no net: K1.2 K1.7 K2.2 K2.3 K2.4 K2.5 K3.4 K3.7 K4.4 K4.5 K4.6 K4.7 K5.2 K5.7 K6.2 K6.3 K6.4 K6.5 K7.4 K7.7 K8.4 K8.5 K8.6 K8.7 K10.4 K10.5 K10.6 K10.7 K11.4 K11.5 K11.6 K11.7 MH1.2 MH2.2 MH3.2 MH4.2 P1.M1 P1.M2 P2.1 P5.1 P5.2 P9.1 P10.1 P13.1 P14.3 P15. P15.6 P18.1 P22.M1 P22.M2 P24.M1 P24.M2 P25.1 P38.1 P40.1 P42.1 P43.1 Q7.2 Q7.3 Q7.7 U1.3.1 U1.3.2 U1.3.3 U1.3.6 U1.3.9 U1.3.10 U1.3.11 U1.3.12 U1.3.14 U1.3.15 U1.4.3 U1.4.5 U1.4.6 U1.4.7 U1.4.8 U1.4.10 U1.4.12 U1.4.15 U2.4 U2.5 U2.11 U2.14 U8.6 U9.4 U9.5 U11.6 U16.1 U16.12 U16.14

## Polygon pours and split planes (outlines as drawn)
LV_GND on Bottom Layer "LV GND" (solid, pour order 56): 0,3840 500,3840 500,4180 840,4180 840,4300 800,4340 800,4420 820,4420 880,4480 880,4880 800,4960 800,5660 960,5820 3460,5820 3460,5620 3980,5620 3980,5200 4020,5160 4020,4580 2140,4580 2140,4460 2220,4380 2220,4100 2480,3840 2480,3300 2360,3180 860,3180 460,2780 460,2200 560,2100 3260,2100 3500,2340 4600,2340 4760,2500 6320,2500 6660,2160 9380,2160 9380,6000 0,6000
HV_GND on Bottom Layer "Bottom Layer-HV_GND" (solid, pour order 43): 9380,20 9380,1898.23 4960,1920 549.72,1930.28 360,2120 360,2890 790,3320 1080,3320 2230,3320 2230,3750 2230,3930 2230,3960 2100,3960 2100,4720 3860,4720 3860,5520 3360,5520 3360,5705 1021.43,5705 920,5586.67 920,4680 940,4680 920,4660 920,4140 600,4140 600,3760 20,3760 0,3760 0,620 0,540 0,20 460,20
HV_GND on Bottom Layer "High Voltage GNd" (solid, pour order 57): 3280,1920 3300,1940 3300,1980 3320,1980 3540,2200 4680,2200 4780,2300 6380,2300 6800,1880 3320,1880
12V_RAW on Top Layer "3v3" (solid, pour order 58): 0,3840 500,3840 500,4180 840,4180 840,4300 800,4340 800,4420 820,4420 880,4480 880,4880 800,4960 800,5660 960,5820 3460,5820 3460,5620 3980,5620 3980,5200 4020,5160 4020,4580 2140,4580 2140,4460 2220,4380 2220,4100 2480,3840 2480,3300 2360,3180 860,3180 460,2780 460,2200 560,2100 3280,2100 3480,2300 4600,2300 4725,2425 4725,5140 5490,5140 5715,5365 5780,5365 5780,6000 0,6000
HV_12V on Top Layer "High Voltage 12V" (solid, pour order 59): 0,3760 600,3760 600,4140 880,4140 920,4180 920,5620 1020,5720 3360,5720 3360,5520 3860,5520 3860,4720 2100,4720 2160,4020 2260,3960 2360,3860 2360,3400 2280,3320 780,3320 360,2900 360,2120 680,1800 3300,1800 3300,1320 2900,1320 2900,20 0,20
12V_SUPPL on Top Layer "3v3" (solid, pour order 52): 5850,4430 5865,4415 6505,4415 6680,4590 7870,4590 7960,4680 7960,5480 7955,5480 7720,5715 7355,5715 7310,5670 7310,5080 6485,5080 6380,4975 5860,4975 5850,4965
12V_RAW on Top Layer "3v3" (solid, pour order 50): 4850,5100 4850,4410 5425,4410 5510,4495 5510,4825 5700,5015 6385,5015 6455,5085 6455,5730 5865,5730 5780,5645 5780,5365 5715,5365 5490,5140 4890,5140
HV_IN_DCDC on Top Layer "HV Power In 1" (solid, pour order 44): 2940,20 5380,20 5380,2280 4760,2280 4680,2200 3540,2200 3340,2000 3340,1300 2940,1300
12V_DCDC on Top Layer "Optional Power" (solid, pour order 64): 7935,5900 8060,5900 8065,5895 8065,5610 8260,5415 8240,5395 8240,3060 8104.45,2924.45 7805.55,2924.45 7660,3070 7660,4345 7990,4675 7990,5505 7850,5645 7850,5885 7865,5900 7940,5900
12V_SUPPL on Top Layer "3v3" (solid, pour order 62): 5975,4425 5975,4030 6005,4000 6005,3830 6080,3830 6075,3835 6075,4020 6025,4070 6025,4425 6010,4425
NetD13_2 on Top Layer "HV Power In 2" (solid, pour order 45): 5500,1980 5500,20 8220,20 8300,100 8300,1620 8200,1720 6820,1720 6540,1980
12V_DCDC on Top Layer "3v3" (solid, pour order 48): 5045,4010 5285,4010 5285,3190 5450,3025 6250,3025 6380,3155 6865,3155 6930,3090 7675,3090 7835,2930 7835,2420 6270,2420 5915,2775 4970,2775 4970,3935
NetP43_2 on Top Layer "3v3" (solid, pour order 51): 5520,4485 5660,4485 5660,4570 5790,4570 5800,4580 5800,4765 5790,4775 5580,4775 5580,4745 5630,4695 5630,4675 5620,4665 5615,4670 5560,4670 5560,4695 5545,4710 5520,4710 5520,4700 5520,4710 5520,4700
12V_DCDC on Top Layer "3v3" (solid, pour order 49): 5675,3020 5820,3020 5820,3265 5800,3285 5675,3285
NetP38_3 on Top Layer "3v3" (solid, pour order 47): 5030,4330 5030,4170 5110,4170 5110,4070 5265,4070 5265,4210 5210,4210 5210,4315 5195,4330
NetF5_1 on Top Layer "HV Fuse" (solid, pour order 46): 5880,2260 5880,2000 6420,2000 6420,2260

## Keep-outs
Keep-Out Layer:
  lines w15: 5,0 9370,0 9375,5 9375,5995 5,5995 5,0

## Silkscreen, mask and mechanical layers (free items; w line width, h text height)
Top Overlay:
  drawing of 150 lines, arcs and shapes, not listed
  text "12V OUT" at 6593,5933 h37 r180
  text "SUPPL" at 7453,5933 h40 r180
  text "External Supply" at 8788,5925.67 h37 r180
  text "LV Digital Signals" at 5733,5905.67 h37 r180
  text "CAN Signals" at 748,5865.67 h37 r180
  text "12V" at 6373,5833 h37 r180
  text "GND" at 6713,5833 h37 r180
  text "GND" at 7273,5833 h37 r180
  text "SUPP+" at 7613,5833 h37 r180
  text "GND" at 8283,5747 h37 r90
  text "CAN_N" at 800,5415 h40 r180
  text "CAN_P" at 495,5400 h40 r180
  text "PRECHARGE_END MC" at 2567,4552 h30
  text "LV" at 47,3867 h37
  text "HV" at 46.86,3695.43 h37
  text "PRECHARGE_END_MPPT" at 2467,3352 h30
  text "High Voltage Controller Rev C" at 6850,3137.75 h200
  text "4/12/2023" at 8625,2976.59 h150
  text "MPPT_CONT" at 4318.33,2930 h50 r270
  text "LOW_CONT" at 4818.33,2910 h50 r270
  text "CLOSE_MC" at 1896.72,2881.67 h40
  text "MC_CONT" at 3778.33,2850 h50 r270
  text "CLOSE_MPPT" at 1459.73,2846.67 h40
  text "LV" at 9272,2092 h37
  text "HV" at 9271.86,1920.43 h37
  text "96V PWR IN" at 2767,787 h40
  text "IN" at 622,522 h37
  text "GND" at 1137,492 h40
  text "IN" at 1947,487 h37
  text "OUT" at 591.86,405.43 h37
  text "GND" at 1141.86,400.43 h37
  text "OUT" at 1906.86,385.43 h37
  text "MC" at 2157,182 h40
  text "HV GND" at 1307,172 h37
  text "MPPT" at 812,142 h40
  text "GND" at 2727,47 h37
  text "96V" at 3047,47 h37
Mechanical 16:
  the board outline again, w10

## Dimensions
0,6000 to 0,0 on Dimensions
0,6000 to 9380,6000 on Dimensions
160,5670 to 160,170 on Dimensions
9160,5670 to 9160,170 on Dimensions
160,170 to 9160,170 on Dimensions
9160,170 to 9160,5670 on Dimensions
9160,5670 to 160,5670 on Dimensions
160,5670 to 9160,5670 on Dimensions
160,170 to 160,5670 on Dimensions

## Text inside footprints (layer, text, board x,y; h text height)
U1: Top Overlay "USB" at 3344.37,5357.6 h40 r270
U6: Mechanical 13 "*" at 1918.5,3842 h50